# Altium PCB drac_v3.PcbDoc (part 2 of 5) (continued)
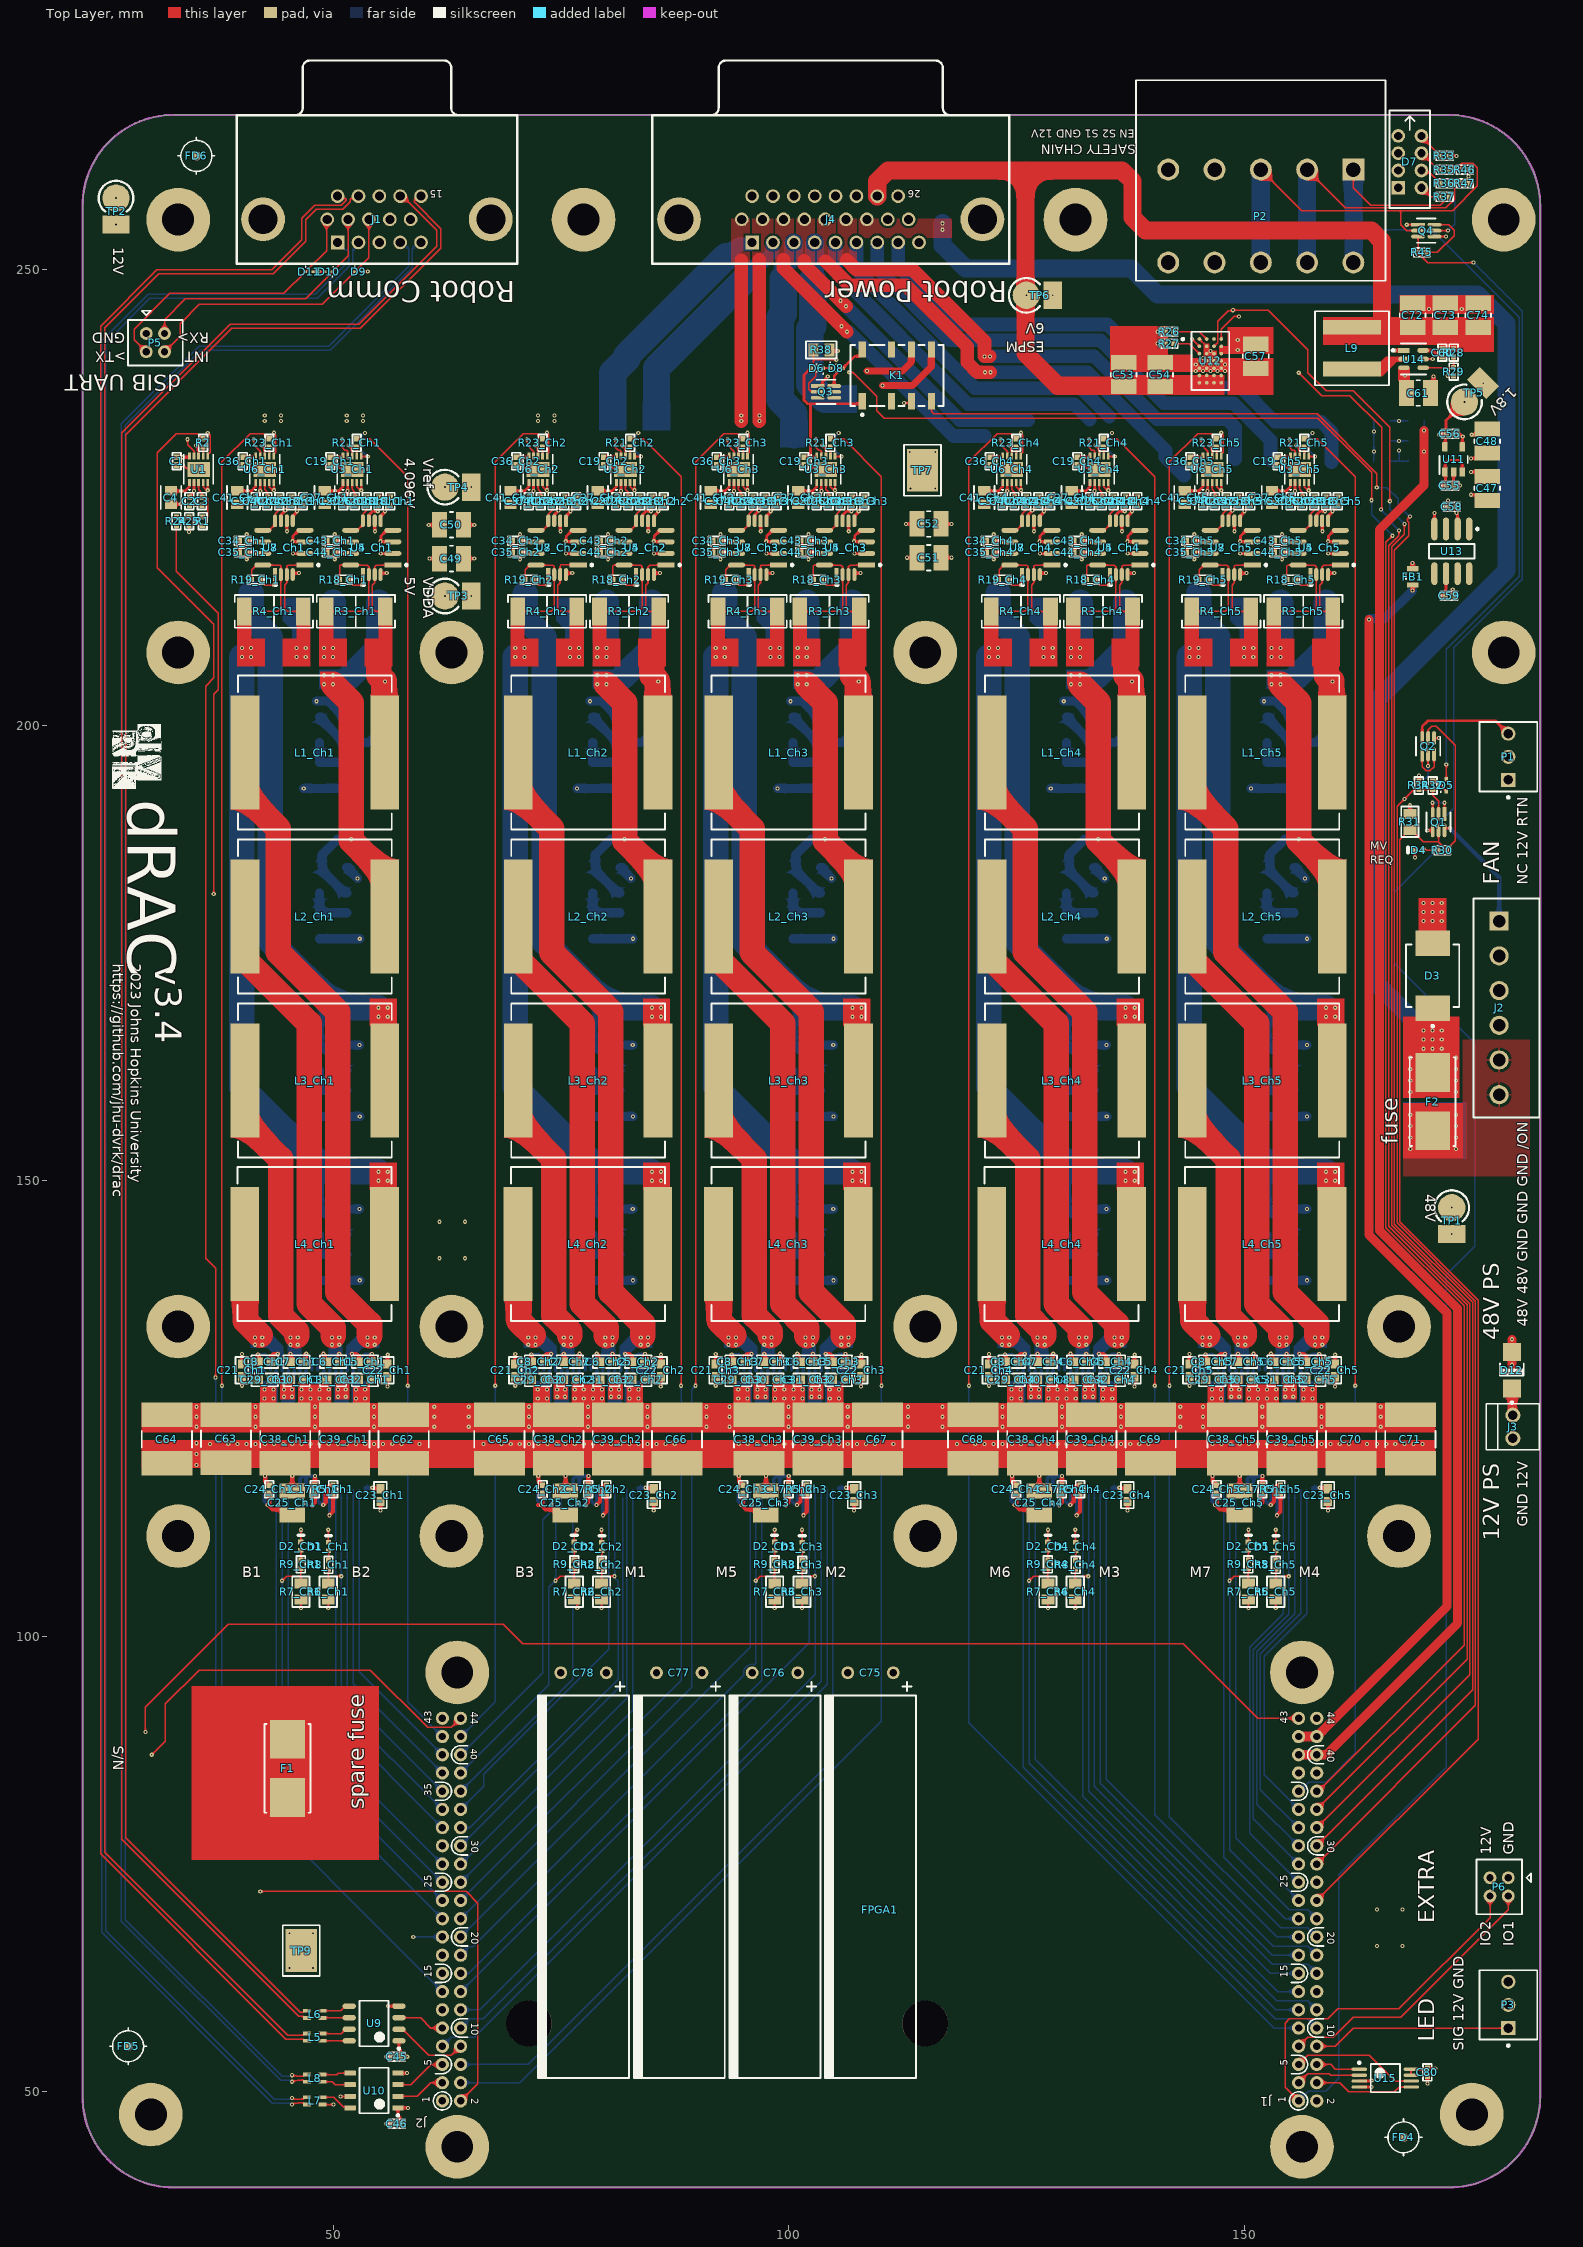
[diagram p0: Top Layer view]
## Part data (continued)
P2: library part CMP-1502-02269-1, "Serie 3315 - 5.08mm Double Level Horizontal Male PCB Header with Flanges WR-TBL, 10 pin", Manufacturer="Wurth Elektronik", Operating Temperature=-40to105degC, Datasheet URL=http://katalog.we-online.de/em/datasheet/6913315100xx.pdf, Gender=Male, Manufacturer URL=http://www.we-online.de, Mounting Technology=THT, Package Reference=691331510010, Packaging=Box, Part Number=691331510010, Pin Number=10, Pitch=5.08mm, Publisher=WurthElektronik
P5 P6: "Header, 2-Pin, Dual row", LatestRevisionDate=17-Jul-2002, LatestRevisionNote="Re-released for DXP Platform.", Publisher="Altium Limited"
Q1 Q2 Q3 Q4: library part CMP-12801-000100-1, "MOSFET 2N-CH 30V 1A SOT363", Case/Package=SOT-363, Continuous Drain Current (ID)=1A, Drain to Source Resistance=190mR, Drain to Source Voltage (Vdss)=30V, Gate to Source Voltage (Vgs)=20V, Input Capacitance=87pF, Max Operating Temperature=150°C, Max Power Dissipation=320mW, Min Operating Temperature=-55°C, Package Quantity=3000, Element Configuration=Dual, Fall Time=15.6ns, FET Type="2 N-Channel", Height=1mm, Lead Free="Lead Free", Length=2.2mm, Mount="Surface Mount", Number Of Channels=2, Number of Pins=6, Packaging="Tape and Reel", Radiation Hardening=No, Rds On Max=190mR, Rise Time=8.9ns, Supplier 1="Arrow Electronics", Supplier Part Number 1=DMN3190LDW-7, Turn-Off Delay Time=30.3ns, Turn-On Delay Time=4.5ns, Weight=0.000212oz, Width=1.35mm
R1 R2 R5_Ch1 R5_Ch2 R5_Ch3 R5_Ch4 R5_Ch5 R6_Ch1 R6_Ch2 R6_Ch3 R6_Ch4 R6_Ch5 R7_Ch1 R7_Ch2 R7_Ch3 R7_Ch4 R7_Ch5 R8_Ch1 R8_Ch2 R8_Ch3 R8_Ch4 R8_Ch5 R9_Ch1 R9_Ch2 R9_Ch3 R9_Ch4 R9_Ch5 R10_Ch1 R10_Ch2 R10_Ch3 R10_Ch4 R10_Ch5 R11_Ch1 R11_Ch2 R11_Ch3 R11_Ch4 R11_Ch5 R12_Ch1 R12_Ch2 R12_Ch3 R12_Ch4 R12_Ch5 R13_Ch1 R13_Ch2 R13_Ch3 R13_Ch4 R13_Ch5 R14_Ch1 R14_Ch2 R14_Ch3 R14_Ch4 R14_Ch5 R15_Ch1 R15_Ch2 R15_Ch3 R15_Ch4 R15_Ch5 R16_Ch1 R16_Ch2 R16_Ch3 R16_Ch4 R16_Ch5 R17_Ch1 R17_Ch2 R17_Ch3 R17_Ch4 R17_Ch5 R18_Ch1 R18_Ch2 R18_Ch3 R18_Ch4 R18_Ch5 R19_Ch1 R19_Ch2 R19_Ch3 R19_Ch4 R19_Ch5 R20_Ch1 R20_Ch2 R20_Ch3 R20_Ch4 R20_Ch5 R21_Ch1 R21_Ch2 R21_Ch3 R21_Ch4 R21_Ch5 R22_Ch1 R22_Ch2 R22_Ch3 R22_Ch4 R22_Ch5 R23_Ch1 R23_Ch2 R23_Ch3 R23_Ch4 R23_Ch5 R24 R25 R26 R27 R28 R29 R30 R31 R32 R33 R34 R35 R36 R37 R38 R39 R40 R41 R42 R43 R44 R45 R46 R47: "Resistor"
R3_Ch1 R3_Ch2 R3_Ch3 R3_Ch4 R3_Ch5 R4_Ch1 R4_Ch2 R4_Ch3 R4_Ch4 R4_Ch5: library part Res_0402_3, "RES 2512"
TP1 TP2 TP3 TP4 TP5 TP6: library part TP_GND
TP7 TP8 TP9 TP10: "Test Point, Compact, SMT", Manufacturer=Keystone, Supplier Part Number 1=36-5016TR-ND, ComponentLink1Description="Datasheet URL", ComponentLink1URL=http://www.keyelco.com/userAssets/store/files/5016.PDF, CompType="Test Point Loop", LatestRevisionDate=2016-09-14, MountType=SMT, PackageReference=Testpoint_Keystone_Compact, PartNumber=5016, Publisher="Texas Instruments", RoHS=Y, Supplier 1=Digi-Key, Supplier 2=Mouser, Supplier Part Number 2=534-5016, SymbolVersion=2008-04-04
U1 U3_Ch1 U3_Ch2 U3_Ch3 U3_Ch4 U3_Ch5 U6_Ch1 U6_Ch2 U6_Ch3 U6_Ch4 U6_Ch5: "16-Bit, 2 MSPS/1 MSPS/500 kSPS, / Precision, Pseudo Differential, SAR ADCs", RefDes=RefDes, Supplier 1="Arrow Electronics", Supplier Part Number 1=AD4008BCPZ-RL7, Type=Type
U2_Ch1 U2_Ch2 U2_Ch3 U2_Ch4 U2_Ch5: library part CMP-1556-00009-2, "12 A Dual Brushed DC or Single Bipolar Stepper Motor Driver (PWM Ctrl), 0 to 52.5 V, -40 to 85 degC, 36-pin SOP (DKD36), Green (RoHS & no Sb/Br)", Case/Package=HSSOP, Manufacturer="Texas Instruments", Max Operating Temperature=85°C, Max Output Current=12A, Max Supply Voltage=52.5V, Min Operating Temperature=-40°C, Min Supply Voltage=0V, Nominal Supply Current=10.5mA, Operating Supply Voltage=50V, Output Current=7A, Package Quantity=500, Package Reference=DKD0036A, Peak Output Current(A)=12, Power Dissipation=5W, RMS Output Current(A)=7, Supplier Part Number 1=296-29573-1-ND, Category="Amplifiers - Audio", ComponentLink1Description="Manufacturer URL", ComponentLink1URL=http://www.ti.com/, ComponentLink2Description=Datasheet, ComponentLink2URL=http://www.ti.com/general/docs/lit/getliterature.tsp?genericPartNumber=DRV8432&fileType=pdf, ComponentLink3Description="Package Specification", ComponentLink3URL=http://www.ti.com/lit/ml/mpds126j/mpds126j.pdf, ComponentLink4Description=https://datasheet.ciiva.com/15109/getdatasheetpartid-482142-15109561.pdf?src-supplier=Verical, ComponentLink4URL=https://datasheet.ciiva.com/15109/getdatasheetpartid-482142-15109561.pdf?src-supplier=Verical, ComponentLink5Description=https://datasheet.ciiva.com/1959/drv8432-1959978.pdf?src-supplier=Digi-Key, ComponentLink5URL=https://datasheet.ciiva.com/1959/drv8432-1959978.pdf?src-supplier=Digi-Key, ComponentLink6Description=https://datasheet.ciiva.com/41457/001013555-da-01-en-ic-bridge-driver-drv8432dkdr-ssop-36-tid-41457289.pdf?src-supplier=Conrad, ComponentLink6URL=https://datasheet.ciiva.com/41457/001013555-da-01-en-ic-bridge-driver-drv8432dkdr-ssop-36-tid-41457289.pdf?src-supplier=Conrad, ComponentLink7Description=https://datasheet.ciiva.com/3228/drv8432-3228999.pdf?src-supplier=Avnet, ComponentLink7URL=https://datasheet.ciiva.com/3228/drv8432-3228999.pdf?src-supplier=Avnet, ComponentLink8Description=https://datasheet.ciiva.com/1959/drv8432-1959979.pdf?src-supplier=Digi-Key, ComponentLink8URL=https://datasheet.ciiva.com/1959/drv8432-1959979.pdf?src-supplier=Digi-Key, ComponentLink9Description=https://datasheet.ciiva.com/1959/drv8432-1959980.pdf?src-supplier=Digi-Key, ComponentLink9URL=https://datasheet.ciiva.com/1959/drv8432-1959980.pdf?src-supplier=Digi-Key, Control I/F=PWM, DatasheetVersion=SLES242D, Eco-Plan="Green (RoHS & no Sb/Br)", Fault Protection="Over Temperature,Short Circuit", Interface=PWM, Lead Free="Lead Free", Manufacturer Part Number=DRV8432DKDR, Mount="Surface Mount", Mounting Technology="Surface Mount", Number of Outputs=2, Number of Pins=36, Output Current per Channel=7A, PackageDescription="36-Pin Plastic Small Outline, Body 15.9 x 11 mm, Pitch 0.65 mm", PackageVersion="4204421-2/K, 11/2013", Packaging="Tape and Reel", PartNumber=DRV8432DKDR, Pricing 1="1=12.21000, 10=11.03000, 25=10.51720, 100=8.72170, 250=7.95212 (USD)", Radiation Hardening=No, rDS (ON) (LS + HS)(mOhms)=220, RoHS=Yes, RoHS Compliant=Yes, Series=DRV8432, Stock 1=927, Supplier 1=Digi-Key, Supply Current=10.5mA, Vs(Max)(V)=52.5, Vs(Min)(V)=0
U4_Ch1 U4_Ch2 U4_Ch3 U4_Ch4 U4_Ch5 U7_Ch1 U7_Ch2 U7_Ch3 U7_Ch4 U7_Ch5: "TEXAS INSTRUMENTS - INA240A1PWR . - CURRENT SENSE AMPLIFIER, 400KHZ, TSSOP-8", Alternate Manufacturer="Texas Instruments", Case/Package=TSSOP, Input Bias Current=90uA, Input Offset Voltage (Vos)=5uV, Manufacturer Part Number=INA240A1PWR, Max Operating Temperature=125°C, Min Operating Temperature=-40°C, Operating Supply Current=1.8mA, Supplier Part Number 1=296-45089-1-ND, -3db Bandwidth=400kHz, Category="Amplifiers - Op Amps, Buffer, Instrumentation", ComponentLink1Description="Datasheet Link", ComponentLink1URL="https://sps06.itg.ti.com/sites/KMS/crossdivteams/altium/docs/ComponentDatasheets/INA240 Prelim DS - 9-15-15.pdf", ComponentLink2Description=http://www.ti.com/lit/ds/symlink/ina240.pdf?src-supplier=Farnell, ComponentLink2URL=http://www.ti.com/lit/ds/symlink/ina240.pdf?src-supplier=Farnell, ComponentLink3Description=http://www.ti.com/lit/ds/symlink/ina240.pdf?src-supplier=Digi-Key, ComponentLink3URL=http://www.ti.com/lit/ds/symlink/ina240.pdf?src-supplier=Digi-Key, ComponentLink4Description=http://www.ti.com/lit/ds/symlink/ina240.pdf?src-supplier=Newark, ComponentLink4URL=http://www.ti.com/lit/ds/symlink/ina240.pdf?src-supplier=Newark, CompType=IC, LatestRevisionDate=2016-03-14, Lead Free="Lead Free", Manufacturer="Texas Instruments", Mount="Surface Mount", MountType=SMT, Number of Circuits=1, PackageReference=PW0008A, Packaging="Tape and Reel", PartNumber=INA240A1PW, Pricing 1="1=2.78000, 10=2.50000, 50=2.37000, 100=1.95000, 1000=1.40000, 10000=1.34000 (USD)", Publisher="Texas Instruments", RoHS Compliant=Yes, Slew Rate=2V/µs, Stock 1=14825, Supplier 1=Digi-Key, Supplier 2=Mouser, Supplier Part Number 2=595-INA240A1PWR, SymbolCreator=Altium, SymbolVersion=2016-01-07, U/M=EA
U5_Ch1 U5_Ch2 U5_Ch3 U5_Ch4 U5_Ch5 U8_Ch1 U8_Ch2 U8_Ch3 U8_Ch4 U8_Ch5: library part CMP-04895-000409-1, "IC CURR SENSE 1 CIRCUIT 8SOIC", Case/Package=SOIC, Input Bias Current=90uA, Input Offset Voltage (Vos)=5uV, Max Operating Temperature=125°C, Min Operating Temperature=-40°C, Operating Supply Current=1.8mA, -3db Bandwidth=400kHz, Mount="Surface Mount", Number of Circuits=1, Packaging=Rail/Tube, RoHS Compliant=Yes, Slew Rate=2V/µs
U9: "LVDS Receiver 8-Pin SOIC T/R", Case/Package=SOIC, Manufacturer="Texas Instruments", Manufacturer Part Number=SN65LVDS34DR, Max Input Current=75uA, Max Operating Temperature=85°C, Max Power Dissipation=950mW, Max Supply Voltage=3.6V, Min Operating Temperature=-40°C, Min Supply Voltage=3V, Nominal Supply Current=12mA, Operating Supply Voltage=3.3V, Package Quantity=2500, Supplier Part Number 1=296-SN65LVDT34DRCT-ND, Category="Interface ICs", ComponentLink1Description=https://datasheet.ciiva.com/1770/sn65lvdt33-1770664.pdf, ComponentLink1URL=https://datasheet.ciiva.com/1770/sn65lvdt33-1770664.pdf, ComponentLink2Description=https://datasheet.ciiva.com/3152/sn65lvds33-3152872.pdf, ComponentLink2URL=https://datasheet.ciiva.com/3152/sn65lvds33-3152872.pdf, ComponentLink3Description=https://datasheet.ciiva.com/15133/getdatasheetpartid-524946-15133570.pdf?src-supplier=Verical, ComponentLink3URL=https://datasheet.ciiva.com/15133/getdatasheetpartid-524946-15133570.pdf?src-supplier=Verical, ComponentLink4Description=https://datasheet.ciiva.com/26828/sn65lvdt34dr-26828764.pdf?src-supplier=IIIC, ComponentLink4URL=https://datasheet.ciiva.com/26828/sn65lvdt34dr-26828764.pdf?src-supplier=IIIC, ComponentLink5Description=https://datasheet.ciiva.com/1770/sn65lvdt33-1770866.pdf?src-supplier=Digi-Key, ComponentLink5URL=https://datasheet.ciiva.com/1770/sn65lvdt33-1770866.pdf?src-supplier=Digi-Key, ComponentLink6Description=https://datasheet.ciiva.com/3153/sn65lvds33-3153018.pdf?src-supplier=Avnet, ComponentLink6URL=https://datasheet.ciiva.com/3153/sn65lvds33-3153018.pdf?src-supplier=Avnet, ComponentLink7Description=https://datasheet.ciiva.com/26002/slls490b-26002508.pdf?src-supplier=Avnet+Europe, ComponentLink7URL=https://datasheet.ciiva.com/26002/slls490b-26002508.pdf?src-supplier=Avnet+Europe, Contact Plating=Gold, Data Rate=400Mbps, Lead Free="Lead Free", Logic Function=Receiver, Mount="Surface Mount", Number of Drivers=4, Number of Elements=4, Number of Pins=8, Number of Receivers=4, Packaging="Tape and Reel", Power Dissipation=950mW, Pricing 1="1=2.27, 10=2.042, 100=1.641, 500=1.34828, 1000=1.11714 (USD)", Pricing 2="1=2.75000, 10=2.47200, 25=2.33200, 100=1.86560, 250=1.63240, 500=1.58576, 1000=1.25928 (USD)", Propagation Delay=9ns, Radiation Hardening=No, Receiver Hysteresis=50mV, RoHS=Yes, RoHS Compliant=Yes, Series=65LVDT, Stock 1=3654, Stock 2=2291, Supplier 1=Digi-Key, Supplier 2=Digi-Key, Supplier Part Number 2=296-39187-1-ND, Supply Current=12mA, Turn-On Delay Time=9ns, Weight=0.002561oz
U10: library part CMP-0058-00996-3, "LVDS Dual High Speed Differential Driver, 8-pin Narrow SOIC, Pb-Free", Manufacturer="Texas Instruments", PackageTopMarking=NSZXTT*LV27A*TM, PowerWise=N, Code_IPC=SOIC127P600-8, Code_JEDEC=MS-012-AA, ComponentLink1Description="Datasheet URL", ComponentLink1URL=http://www.ti.com/general/docs/lit/getliterature.tsp?genericPartNumber=DS90LV027A&fileType=pdf, CompType="Interface IC", PackageDescription="SOIC Narrow, 4.9 x 3.9 x 1.45mm, 8 Lead, 1.27mm Pitch", PackageReference=D0008A, PinCount=8, RoHS=Y
U11: library part LP5907MFX-3.3/NOPB, "Ultra Low Noise, 250mA Linear Regulator", Alternate Manufacturer="Texas Instruments", Case/Package=SOT-23, Dropout Voltage=250mV, Max Input Voltage=5.5V, Max Operating Temperature=125°C, Max Output Current=250mA, Min Input Voltage=2.2V, Min Operating Temperature=-40°C, Nominal Output Voltage=1.8V, Output Voltage Accuracy=2%, Package Quantity=3000, Power Supply Rejection Ratio (PSRR)=82dB, Quiescent Current=25uA, Supplier Part Number 1=296-41463-1-ND, Accuracy=2%, Category="Voltage Regulators - Linear", ComponentLink1Description="Datasheet Link", ComponentLink1URL=http://www.ti.com/lit/ds/symlink/lp5907.pdf, ComponentLink2Description=https://datasheet.ciiva.com/15083/lp5907-15083594.pdf?src-supplier=Digi-Key, ComponentLink2URL=https://datasheet.ciiva.com/15083/lp5907-15083594.pdf?src-supplier=Digi-Key, CompType=IC, Contact Plating=Tin, LatestRevisionDate=2016-09-20, Lead Free="Lead Free", Manufacturer="Texas Instruments", Manufacturer Part Number=LP5907MFX-1.8/NOPB, Mount="Surface Mount", MountType=SMT, Number of Outputs=1, Number of Pins=5, Number of Regulators=1, Output Current=250mA, Output Type=Fixed, Output Voltage=1.8V, PackageDescription=SOT-5, PackageReference=DBV0005A, Packaging="Tape and Reel", PartNumber=LP5907MFX-1.8/NOPB, Polarity=Positive, Pricing 1="1=0.57000, 10=0.48900, 25=0.45640, 100=0.33900, 250=0.28684, 500=0.27380, 1000=0.20209 (USD)", Publisher="Texas Instruments", REACH SVHC="No SVHC", RoHS=Y, RoHS Compliant=Yes, SizeArea_mm2=8.12, SizeAreaWB_mm2=14.82, SizeX_mm=2.8, SizeY_mm=2.9, SizeZ_mm=1.45, Stock 1=17882, Supplier 1=Digi-Key, SymbolCreator=a0799628, SymbolVersion=2014-03-21, U/M=EA
U12: library part CMP-09139-000005-1, "DC DC CONVERTER 0.8-15V", Manufacturer="Analog Devices", Max Junction Temp=+125°C, Max Supply Voltage=40V, Min Supply Voltage=3.2V, Nominal Supply Current=3-8uA, Output Current=2uA, Output Voltage=0.8-15V, Package=BGA-28-05-08-1517, Switching Frequency=200-2200kHz, Temperature="-40°C to +125°C", Temperature Range Low=-40°C, Automotive=No, Category=IC, ComponentLink2Description=Datasheet, ComponentLink2URL=https://www.analog.com/media/en/technical-documentation/data-sheets/LTM8063.pdf, Device Class L1="Integrated Circuits (ICs)", Device Class L2="Power Management ICs", Device Class L3="Voltage Regulators - Switching", Digikey Description="DC DC CONVERTER 0.8-15V", Height=2.42mm, Ipc Land Pattern Name=BGA28C80P4X7_625X400X242, Lead Free=Yes, Manufacturer Part Number=LTM8063EY#PBF, Mouser Description="Module DC-DC 1-OUT 0.8V to 15V 2A Automotive 28-Pin BGA Tray", Number of Outputs=1, Octopart=https://octopart.com/ltm8063ey%23pbf-analog+devices-88947122, Output Type=AdjustableProgrammable, RoHS=TRUE, Standoff Height=0.3mm, Switching Topology=Buck, Temperature Range High=+125°C
U13: library part CMP-0784-00192-1, "Ultralow Noise, High Accuracy Voltage Reference, 4.096 V Output, 3 to 15 V Supply, Industrial, 8-pin SOIC (R-8), Tube", Manufacturer="Analog Devices", Operating Temp Range="-40 to 125 degC", Supplier Part Number 1=ADR4540BRZ-ND, Code_JEDEC=MS-012-AA, ComponentLink1Description="Manufacturer URL", ComponentLink1URL=http://www.analog.com/en/index.html, ComponentLink2Description=Datasheet, ComponentLink2URL=http://www.analog.com/static/imported-files/data_sheets/ADR4520_4525_4530_4533_4540_4550.pdf, ComponentLink3Description="Package Specification", ComponentLink3URL=http://www.analog.com/static/imported-files/packages/PKG_PDF/SOIC_Narrow%20(R)/R_8.pdf, ComponentLink4Description="URL Link1", ComponentLink4URL="Product URL:http://www.analog.com/en/special-linear-functions/voltage-references/adr4540/products/product.html", DatasheetVersion="Rev. 0", Max V Supply (V)=15, Min V Supply (V)=3, Mounting Technology="Surface Mount", PackageDescription="8-Pin Standard Small Outline Package, Body 4.9 x 3.9 mm, Pitch 1.27 mm", PackageReference=R-8, PackageVersion="060506-A, 06/2006", Packing=Tube, PartNumber=ADR4540BRZ, Ref Out TC (ppm/C)=2, Supplier 1=Digi-Key, Vout=4.096V
U14: library part CMP-04918-000010-1, "IC REG BUCK ADJ 2A TSOT23-6", Manufacturer="Texas Instruments", Max Junction Temp=+125°C, Max Supply Voltage=17V, Min Supply Voltage=4.5V, Nominal Supply Current=380uA, Output Current=2A, Output Voltage=0.76-7V, Package=DDC0006A, Switching Frequency=580kHz, Temperature="-40°C to +125°C", Temperature Range Low=-40°C, Automotive=No, Category=IC, ComponentLink2Description=Datasheet, ComponentLink2URL=http://www.ti.com/lit/ds/symlink/tps562201.pdf, Device Class L1="Integrated Circuits (ICs)", Device Class L2="Power Management ICs", Device Class L3="Voltage Regulators - Switching", Digikey Description="IC REG BUCK ADJ 2A TSOT23-6", Height=1.1mm, Lead Free=Yes, Manufacturer Part Number=TPS562201DDCT, Max Duty Cycle=80%, Mouser Description="Conv DC-DC 4.5V to 17V Synchronous Step Down Single-Out 0.76V to 7V 2A 6-Pin TSOT-23 T/R", Number of Outputs=1, Octopart=https://octopart.com/tps562201ddct-texas+instruments-68059584, Output Type=AdjustableProgrammable, RoHS=TRUE, Standoff Height=0mm, Switching Topology=Buck, Temperature Range High=+125°C
U15: library part CMP-0165-00422-1, "128K SPI Bus Serial EEPROM, 8-Pin TSSOP, Industrial Temperature, Tape and Reel", Code_JEDEC=MO-153, DatasheetVersion="revD, Jun-2009", PackageDescription="8-Lead Plastic Thin Shrink Small Outline (ST) - 4.4mm Body [TSSOP]", PackageReference=TSSOP-ST8, PackageVersion="revBB, Aug-2009"

## Free pads (board coordinates)
  round 7 hole 3.5: 1(30,47.5) 1(33,255.5) 1(33,111) 1(33,134) 1(33,208) 1(63,111) 1(63,134) 1(63,208) 1(63.635,43.965) 1(63.635,96.035) 1(77.5,255.5) 1(115,111) 1(115,134) 1(115,208) 1(131.5,255.5) 1(156.345,43.965) 1(156.345,96.035) 1(167,111) 1(167,134) 1(175,47.5) 1(178.5,208) 1(178.5,255.5)
  round 5 hole 5 unplated: 1(71.5,57.5) 1(115,57.5)

## Via types
v1: diameter 0.457, hole 0.203, Top Layer to Bottom Layer, tented both sides, 1112 vias

## Nets (pads, with @x,y where several pads share a name; then routed paths per layer and width w, separated by ;. In a path a pad name is that pad's centre, name@x,y a point inside that pad or via, vN(x,y) a via of type N, cw(c..) or ccw(c..) an arc to the next point about the centre after c; other vN are vias at no path point)
/BRAKE1: J4.20 R4_Ch1.2 U7_Ch1.3 U8_Ch1.1 | length 65.3
  Top Layer w0.152: R4_Ch1.2@46.75,212.5 44.977,212.5 44.677,212.8 44.677,215.374 44.925,215.622 44.925,217.506 45.014,217.595 U8_Ch1.1@46.914,217.595
  Mid Layer 2 w0.25: J4.20@98.096,258.08 J4.20@98.29,258.08
  Mid Layer 2 w3: 45,234.5 45,236.9 49.1,241 62.237,241 68.737,247.5 84.515,247.5 87.215,250.2 93.2,250.2
  other v1: 46,207.5 47,207.5 46,208.5 47,208.5 44.3,233.4 44.3,234
/BRAKE2: C10_Ch1.2 C14_Ch1.1 J4.22 L2_Ch1.2 | length 100.4
  Top Layer w2.8: v1(50,204.5) 52,202.5 v1(52,187.5) 52,187.35 55.675,183.675 L2_Ch1.2@55.675,179
  Mid Layer 2 w0.25: J4.22@102.676,258.08 J4.22@102.87,258.08
  Mid Layer 2 w2: 97.1,245.292 97.1,246.139 99.55,248.589 99.55,250.3
  Mid Layer 2 w3: 54,234.5 64.929,234.5 71.429,241 87.208,241 89.908,243.7 95.508,243.7 97.1,245.292
  Bottom Layer w1: C10_Ch1.2@51.5,181.6 51.25,181.6 48.9,183.95 48.9,184.436 48.786,184.55 48.786,185.786 50.5,187.5 v1(52,187.5)
  Bottom Layer w2.8: 51.9,205.4 55,208.5 55,213.5
  other v1: 49,204.5 49,205.5 50,205.5 53.3,233.4 53.3,234
/BRAKE3: J4.24 R4_Ch2.2 U7_Ch2.3 U8_Ch2.1 | length 49.1
  Top Layer w0.152: R4_Ch2.2@76.75,212.5 74.977,212.5 74.677,212.8 74.677,215.374 74.925,215.622 74.925,217.532 75.014,217.621 76.888,217.621 U8_Ch2.1@76.914,217.595
  Mid Layer 2 w0.25: J4.24@107.256,258.08 J4.24@107.45,258.08
  Mid Layer 2 w2: 103.6,245.504 104.1,246.004 104.1,250.3
  Mid Layer 2 w3: 75,234.5 89.9,234.5 92.6,237.2 98.2,237.2 103.6,242.6 103.6,245.504
  other v1: 76,207.5 77,207.5 76,208.5 77,208.5 74.3,233.4 74.3,234
/CS_EEPROM: FPGA1.6 U15.1 | length 4.9
  Top Layer w0.152: FPGA1.6@157.98,53 159.5,53 160.025,52.475 U15.1@162.65,52.475
/MOTOR1: C10_Ch2.2 C14_Ch2.1 J4.2 L2_Ch2.2 | length 71
  Top Layer w2.8: v1(80,204.5) 82,202.5 v1(82,187.5) 82,187.35 85.675,183.675 L2_Ch2.2@85.675,179
  Bottom Layer w1: C10_Ch2.2@81.5,181.6 81.25,181.6 78.9,183.95 78.9,184.436 78.786,184.55 78.786,185.786 80.5,187.5 v1(82,187.5)
  Bottom Layer w1.5: 95.9,249.6 95.919,249.6 98.213,251.893 98.213,252.923 J4.2@98.29,253
  Bottom Layer w2.8: 81.9,205.4 85,208.5 85,213.5
  Bottom Layer w3: 85.5,233.9 85.5,239.2 95.9,249.6
  other v1: 79,204.5 79,205.5 80,205.5
/MOTOR2: C10_Ch3.2 C14_Ch3.1 J4.4 L2_Ch3.2 | length 66.8
  Top Layer w2.8: v1(102,204.5) 104,202.5 v1(104,187.5) 104,187.35 107.675,183.675 L2_Ch3.2@107.675,179
  Bottom Layer w1: C10_Ch3.2@103.5,181.6 103.25,181.6 100.9,183.95 100.9,184.436 100.786,184.55 100.786,185.786 102.5,187.5 v1(104,187.5)
  Bottom Layer w2: 102.66,248.9 102.87,249.11 J4.4@102.87,253
  Bottom Layer w2.8: 103.9,205.4 107,208.5 107,213.5
  Bottom Layer w3: 102.66,248.9 102.66,243.797 102.321,243.458 102.321,237.455 103.977,235.8 106,235.8
  other v1: 101,204.5 101,205.5 102,205.5
/MOTOR3: C10_Ch4.2 C14_Ch4.1 J4.6 L2_Ch4.2 | length 84
  Top Layer w2.8: v1(132,204.5) 134,202.5 134,187.35 137.675,183.675 L2_Ch4.2@137.675,179
  Bottom Layer w1: C10_Ch4.2@133.5,181.6 133.25,181.6 130.9,183.95 130.9,184.436 130.786,184.55 130.786,185.786 132.5,187.5 v1(134,187.5)
  Bottom Layer w1.5: J4.6@107.45,253 107.45,250 120.45,237 132.101,237 135.2,233.9
  Bottom Layer w2.8: 133.9,205.4 137,208.5 137,213.5
  other v1: 131,204.5 131,205.5 132,205.5
/MOTOR4: C10_Ch5.2 C14_Ch5.1 J4.8 L2_Ch5.2 | length 107.6
  Top Layer w2.8: v1(154,204.5) 156,202.5 v1(156,187.5) 156,187.35 159.675,183.675 L2_Ch5.2@159.675,179
  Bottom Layer w1: C10_Ch5.2@155.5,181.6 155.25,181.6 152.9,183.95 152.9,184.436 152.786,184.55 152.786,185.786 154.5,187.5 v1(156,187.5)
  Bottom Layer w1.5: J4.8@112.03,253 112.03,250.37 118.4,244 135,244 141.9,237.1 149.6,237.1 153.371,233.329 158.471,233.329 159.6,232.2 159.6,228.9
  Bottom Layer w2.8: 155.9,205.4 159,208.5 159,213.5
  other v1: 153,204.5 153,205.5 154,205.5
/MOTOR5: J4.11 R4_Ch3.2 U7_Ch3.3 U8_Ch3.1 | length 26.7
  Top Layer w0.152: R4_Ch3.2@98.75,212.5 96.977,212.5 96.677,212.8 96.677,215.374 96.925,215.622 96.925,217.506 97.014,217.595 U8_Ch3.1@98.914,217.595
  Top Layer w1.5: v1(96.8,233.4) 96.8,251.1
  other v1: 98,207.5 99,207.5 98,208.5 99,208.5 96.8,234
/MOTOR6: J4.13 R4_Ch4.2 U7_Ch4.3 U8_Ch4.1 | length 41.9
  Top Layer w0.152: R4_Ch4.2@128.75,212.5 126.977,212.5 126.677,212.8 126.677,215.374 126.925,215.622 126.925,217.506 127.014,217.595 U8_Ch4.1@128.914,217.595
  Top Layer w1.5: 101.73,251 101.73,250.57 v1(105.7,246.6) v1(106.3,246)
  Bottom Layer w1.5: v1(105.7,246.6) v1(106.3,246) 118.8,233.5 126.3,233.5
  other v1: 128,207.5 129,207.5 128,208.5 129,208.5
/MOTOR7: J4.15 R4_Ch5.2 U7_Ch5.3 U8_Ch5.1 | length 64.4
  Top Layer w0.152: R4_Ch5.2@150.75,212.5 148.977,212.5 148.677,212.8 148.677,215.374 148.925,215.622 148.925,217.506 149.014,217.595 U8_Ch5.1@150.914,217.595
  Top Layer w0.25: 106.31,251.139 106.379,251.069
  Top Layer w1.5: 106.379,251.069 107.411,250.038 113.614,250.038 121.514,242.138 v1(121.514,240.5) v1(122.1,240.5)
  Bottom Layer w1.5: v1(121.514,240.5) v1(122.1,240.5) 133.55,240.5 140.45,233.6 148.121,233.6 149,232.721 149,229.2
  other v1: 150,207.5 151,207.5 150,208.5 151,208.5
/RELAY: FPGA1.30 K1.4 | length 217.1
  Top Layer w0.152: K1.4@115.7,235.55 115.7,234.414 115.934,234.179 158.016,234.179 164.567,227.629 v1(164.567,226.085) ; FPGA1.30@157.98,77 175.09,94.11 175.09,136.648 166.49,145.247 166.49,219.19 168.1,220.8 168.1,222.308 167.938,222.471 167.938,222.597 168.199,222.858 v1(168.199,222.91)
  Bottom Layer w0.152: v1(164.567,226.085) 165.684,226.085 166.929,224.841 166.929,224.18 v1(168.199,222.91)
ADC_CNV: FPGA1.55 R39.1 R42.2 U1.6 U3_Ch1.6 U3_Ch2.6 U3_Ch3.6 U3_Ch4.6 U3_Ch5.6 U6_Ch1.6 U6_Ch2.6 U6_Ch3.6 U6_Ch4.6 U6_Ch5.6 | length 366.2
  Top Layer w0.152: U1.6@36.237,229.502 36.237,229.805 36.311,229.879 36.411,229.879 36.5,229.968 36.5,231.837 v1(36.237,232.1) ; U6_Ch1.6@43.5,229.502 43.5,229.805 43.574,229.879 43.611,229.879 43.7,229.968 43.7,231.864 43.5,232.064 v1(43.5,232.106) ; U3_Ch1.6@53.1,229.502 v1(53.802,229.502) ; U6_Ch2.6@73.5,229.502 73.5,229.805 73.574,229.879 73.611,229.879 73.7,229.968 73.7,231.864 73.5,232.064 v1(73.5,232.106) ; U3_Ch2.6@83.1,229.502 v1(83.802,229.502) ; U6_Ch3.6@95.5,229.502 95.5,229.805 95.574,229.879 95.611,229.879 95.7,229.968 95.7,231.864 95.5,232.064 v1(95.5,232.106) ; U3_Ch3.6@105.1,229.502 v1(105.802,229.502) ; U6_Ch4.6@125.5,229.502 125.5,229.805 125.574,229.879 125.611,229.879 125.7,229.968 125.7,231.864 125.5,232.064 v1(125.5,232.106) ; U3_Ch4.6@135.1,229.502 v1(135.802,229.502) ; U6_Ch5.6@147.5,229.502 147.5,229.805 147.574,229.879 147.611,229.879 147.7,229.968 147.7,231.864 147.5,232.064 v1(147.5,232.106) ; U3_Ch5.6@157.1,229.502 v1(157.802,229.502)
  Mid Layer 2 w0.152: v1@43.5,232.1 43.503,232.103 53.497,232.103 v1(53.5,232.1) 53.503,232.103 83.497,232.103 v1(83.5,232.1) 83.503,232.103 105.497,232.103 v1(105.5,232.1) 105.503,232.103 135.497,232.103 v1(135.5,232.1) 135.503,232.103 147.497,232.103 147.5,232.1 163.4,232.1 163.755,231.745 165.324,231.745 v1(167,233.42) ; v1(43.5,232.106) 43.497,232.103 36.24,232.103 v1(36.237,232.1) 28.5,232.1 25.8,229.4 25.8,95.2 FPGA1.55@62,59
  Bottom Layer w0.152: v1(53.5,232.1) 53.1,231.7 53.1,230.205 v1(53.802,229.502) ; v1(83.5,232.1) 83.1,231.7 83.1,230.205 v1(83.802,229.502) ; v1(105.5,232.1) 105.1,231.7 105.1,230.205 v1(105.802,229.502) ; v1(135.5,232.1) 135.1,231.7 135.1,230.205 v1(135.802,229.502) ; v1(157.5,232.1) 157.1,231.7 157.1,230.205 v1(157.802,229.502) ; R42.2@166,233.42 v1(167,233.42) R39.1@168,233.42
ADC_CUR_SDO1_1: FPGA1.85 R21_Ch1.1 | length 147.2
  Top Layer w0.152: R21_Ch1.1@52.6,231.452 54.048,231.452 58.2,227.3 v1(58.2,127.5)
  Bottom Layer w0.152: v1(58.2,127.5) 58.2,92.8 FPGA1.85@62,89
ADC_CUR_SDO1_2: FPGA1.68 R21_Ch2.1 | length 173.6
  Top Layer w0.152: R21_Ch2.1@82.6,231.452 84.048,231.452 88.2,227.3 v1(88.2,127.5)
  Bottom Layer w0.152: FPGA1.68@64,71 88.2,95.2 v1(88.2,127.5)
ADC_CUR_SDO1_3: FPGA1.48 R21_Ch3.1 | length 206.6
  Top Layer w0.152: R21_Ch3.1@104.6,231.452 106.048,231.452 110.2,227.3 v1(110.2,127.5)
  Bottom Layer w0.152: FPGA1.48@64,51 70.5,51 110.2,90.7 v1(110.2,127.5)
ADC_CUR_SDO1_4: FPGA1.19 R21_Ch4.1 | length 175.6
  Top Layer w0.152: R21_Ch4.1@134.6,231.452 136.048,231.452 140.2,227.3 v1(140.2,127.5)
  Bottom Layer w0.152: v1(140.2,127.5) 140.2,80.4 153.6,67 FPGA1.19@155.98,67
ADC_CUR_SDO1_5: FPGA1.35 R21_Ch5.1 | length 155.4
  Top Layer w0.152: R21_Ch5.1@156.6,231.452 158.048,231.452 162.2,227.3 v1(162.2,127.5)
  Bottom Layer w0.152: FPGA1.35@155.98,83 156.1,83 157.1,84 159,84 162.2,87.2 v1(162.2,127.5)
ADC_CUR_SDO2_1: FPGA1.65 R23_Ch1.1 | length 176.6
  Top Layer w0.152: v1(37.8,127.5) 37.8,178.27 37.802,178.273 37.802,228.902 40.9,232 42.4,232 R23_Ch1.1@42.974,231.426
  Bottom Layer w0.152: v1(37.8,127.5) 37.8,93.2 FPGA1.65@62,69
ADC_CUR_SDO2_2: FPGA1.86 R23_Ch2.1 | length 148.2
  Top Layer w0.152: v1(67.8,127.5) 67.8,228.9 ; 67.802,228.902 70.9,232 72.4,232 R23_Ch2.1@72.974,231.426
  Bottom Layer w0.152: FPGA1.86@64,89 67.8,92.8 v1(67.8,127.5)
ADC_CUR_SDO2_3: FPGA1.66 R23_Ch3.1 | length 177.3
  Top Layer w0.152: v1(89.8,127.5) 89.8,228.9 ; 89.802,228.902 92.9,232 94.4,232 R23_Ch3.1@94.974,231.426
  Bottom Layer w0.152: FPGA1.66@64,69 89.4,94.4 89.4,127.1 v1(89.8,127.5)
ADC_CUR_SDO2_4: FPGA1.9 R23_Ch4.1 | length 195.1
  Top Layer w0.152: v1(119.8,127.5) 119.8,228.9 ; 119.802,228.902 122.9,232 124.4,232 R23_Ch4.1@124.974,231.426
  Bottom Layer w0.152: v1(119.8,127.5) 119.8,90.5 153.3,57 FPGA1.9@155.98,57
ADC_CUR_SDO2_5: FPGA1.20 R23_Ch5.1 | length 177
  Top Layer w0.152: v1(141.8,127.5) 141.8,228.9 ; 141.802,228.902 144.9,232 146.4,232 R23_Ch5.1@146.974,231.426
  Bottom Layer w0.152: v1(141.8,127.5) 141.8,80.2 154,68 156.98,68 FPGA1.20@157.98,67
ADC_IN: R1.1 R24.1 R25.2 | length 3.3
  Top Layer w0.152: R24.1@32.8,222.852 R25.2@34.2,222.852 R25.2@34.2,222.852 34.413,222.641 34.413,222.639 35.104,221.948 R1.1@35.7,221.948
ADC_MV_SDO: FPGA1.57 R2.1 | length 188.7
  Top Layer w0.152: R2.1@35.711,231.426 35.137,232 32.8,232 30.7,229.9 30.7,217.3 36.9,211.1 36.9,205.2 36,204.3 36,141.5 37.1,140.4 v1(37.1,128.4)
  Bottom Layer w0.152: v1(37.1,128.4) 37.1,85.9 FPGA1.57@62,61
ADC_SCK: FPGA1.61 R40.1 R43.2 U1.8 U3_Ch1.8 U3_Ch2.8 U3_Ch3.8 U3_Ch4.8 U3_Ch5.8 U6_Ch1.8 U6_Ch2.8 U6_Ch3.8 U6_Ch4.8 U6_Ch5.8 | length 334.9
  Top Layer w0.152: v1(34.937,230.7) 34.937,230.622 35.1,230.458 35.1,230.2 35.207,230.093 35.207,229.532 U1.8@35.237,229.502 ; v1(42.2,230.7) 42.2,230.658 42.4,230.458 42.4,230.2 42.5,230.1 U6_Ch1.8@42.5,229.502 ; v1(51.704,230.704) 51.704,230.696 52,230.4 52,230.2 52.1,230.1 U3_Ch1.8@52.1,229.502 ; v1(72.2,230.7) 72.2,230.658 72.4,230.458 72.4,230.2 72.5,230.1 U6_Ch2.8@72.5,229.502 ; v1(81.704,230.704) 81.704,230.696 82,230.4 82,230.2 82.1,230.1 U3_Ch2.8@82.1,229.502 ; v1(94.2,230.7) 94.2,230.658 94.4,230.458 94.4,230.2 94.5,230.1 U6_Ch3.8@94.5,229.502 ; v1(103.704,230.704) 103.704,230.696 104,230.4 104,230.2 104.1,230.1 U3_Ch3.8@104.1,229.502 ; v1(124.2,230.7) 124.2,230.658 124.4,230.458 124.4,230.2 124.5,230.1 U6_Ch4.8@124.5,229.502 ; v1(133.704,230.704) 133.704,230.696 134,230.4 134,230.2 134.1,230.1 U3_Ch4.8@134.1,229.502 ; v1(146.2,230.7) 146.2,230.658 146.4,230.458 146.4,230.2 146.5,230.1 U6_Ch5.8@146.5,229.502 ; v1(155.704,230.704) 155.704,230.696 156,230.4 156,230.2 156.1,230.1 U3_Ch5.8@156.1,229.502
  Mid Layer 2 w0.152: FPGA1.61@62,65 28.6,98.4 28.6,228 31.3,230.7 v1(34.937,230.7) v1(42.2,230.7) 42.202,230.702 51.702,230.702 v1(51.704,230.704) 51.706,230.702 72.198,230.702 v1(72.2,230.7) 72.202,230.702 81.702,230.702 v1(81.704,230.704) 81.706,230.702 94.198,230.702 v1(94.2,230.7) 94.202,230.702 v1(103.704,230.704) v1(103.704,230.704) 103.706,230.702 124.198,230.702 v1(124.2,230.7) 124.202,230.702 v1(133.704,230.704) v1(133.704,230.704) 146.196,230.704 v1(146.2,230.7) 155.7,230.7 v1(155.704,230.704) 165.896,230.704 166.368,230.232 166.951,230.232 v1(167.007,230.177)
  Bottom Layer w0.152: R43.2@166,229.151 R43.2@166,229 166.918,229 ; v1(167.007,230.177) 167.007,229.089 166.918,229 ; R40.1@168,229.151 R40.1@168,229 166.918,229
ADC_SDI: FPGA1.63 R41.1 R44.2 U1.9 U3_Ch1.9 U3_Ch2.9 U3_Ch3.9 U3_Ch4.9 U3_Ch5.9 U6_Ch1.9 U6_Ch2.9 U6_Ch3.9 U6_Ch4.9 U6_Ch5.9 | length 346.5
  Top Layer w0.152: v1(34.037,231.4) 34.037,230.8 34.737,230.1 U1.9@34.737,229.502 ; v1(41.3,231.4) 41.3,230.8 42,230.1 U6_Ch1.9@42,229.502 ; v1(51,231.4) 51,230.5 51.297,230.203 51.497,230.203 51.6,230.1 U3_Ch1.9@51.6,229.502 ; v1(71.3,231.4) 71.3,230.8 72,230.1 U6_Ch2.9@72,229.502 ; v1(81,231.4) 81,230.5 81.297,230.203 81.497,230.203 81.6,230.1 U3_Ch2.9@81.6,229.502 ; v1(93.3,231.4) 93.3,230.8 94,230.1 U6_Ch3.9@94,229.502 ; v1(103,231.4) 103,230.5 103.297,230.203 103.497,230.203 103.6,230.1 U3_Ch3.9@103.6,229.502 ; v1(123.3,231.4) 123.3,230.8 124,230.1 U6_Ch4.9@124,229.502 ; v1(133,231.4) 133,230.5 133.297,230.203 133.497,230.203 133.6,230.1 U3_Ch4.9@133.6,229.502 ; v1(145.3,231.4) 145.3,230.8 146,230.1 U6_Ch5.9@146,229.502 ; v1(155,231.4) 155,230.5 155.297,230.203 155.497,230.203 155.6,230.1 U3_Ch5.9@155.6,229.502
  Mid Layer 2 w0.152: v1(58.8,67) 57.1,67 27.3,96.8 27.3,229 29.7,231.4 v1(34.037,231.4) v1(41.3,231.4) v1(51,231.4) v1(71.3,231.4) v1(81,231.4) v1(93.3,231.4) v1(103,231.4) v1(123.3,231.4) v1(133,231.4) v1(145.3,231.4) v1(155,231.4) 155.9,231.4 156.09,231.21 v1(167,231.21)
  Bottom Layer w0.152: v1(58.8,67) FPGA1.63@62,67 ; R44.2@166,231.21 v1(167,231.21) R41.1@168,231.21
BRAKE1: C11_Ch1.2 C15_Ch1.1 J4.19 L3_Ch1.2 | length 135.6
  Top Layer w2.8: L3_Ch1.2@55.6,161.075 L3_Ch1.2@55.675,161
  Mid Layer 2 w1.5: 94.345,259.735 J4.19@96,258.08
  Mid Layer 2 w3: 41.5,234.5 41.5,237.996 47.754,244.25 60.89,244.25 67.39,250.75 70.043,250.75 71.8,252.507 71.8,258.3 74.7,261.2 92.88,261.2 94.345,259.735
  Bottom Layer w1: 50.399,169 48.5,167.101 C15_Ch1.1@48.5,164.9 48.75,164.9 51.1,162.55 51.1,162.25 51.25,162.1 C11_Ch1.2@51.5,162.1
  Bottom Layer w2.8: 41,214.5 41,211.801 43.127,209.674 43.127,176.272 50.399,169 v1(55,169)
  other v1: 55,168 56,168 56,169 42.5,233.4 42.5,234